# KiCad board Kea Nano PCB V1-rounded.kicad_pcb (continued)
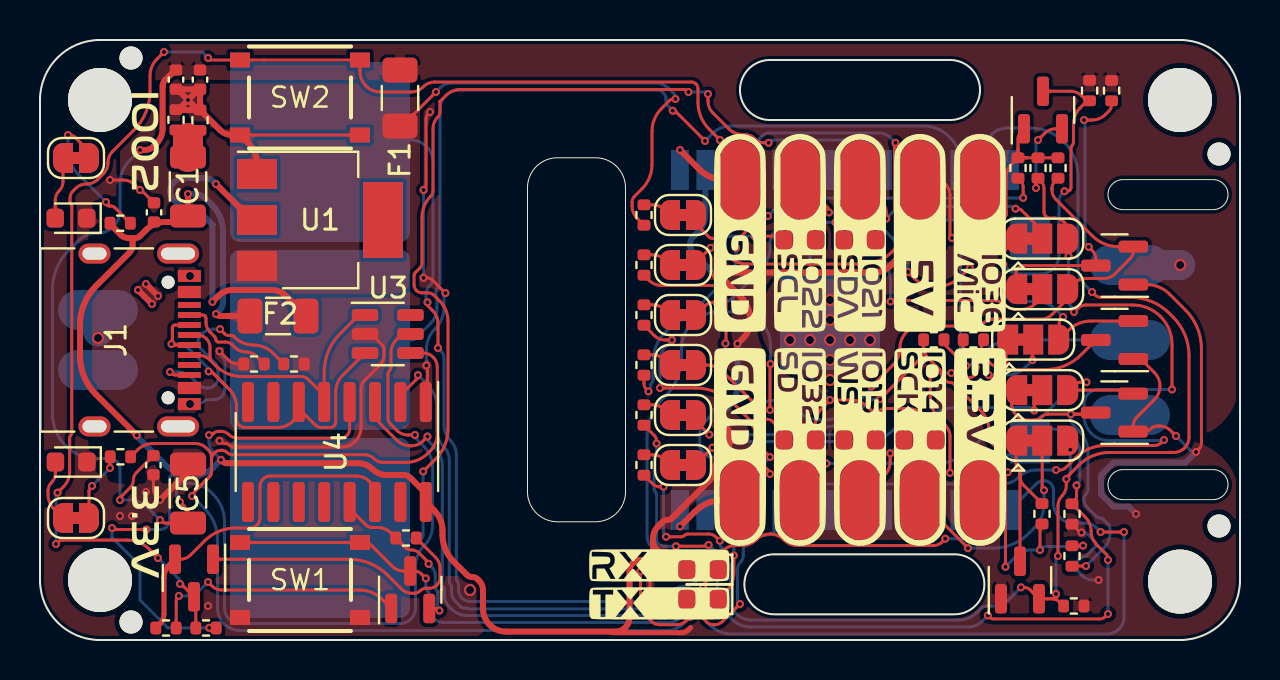
[diagram p0: board, top side]
## Routing (per net, layer and track width the routed paths; a pad name or vN(x,y) marks a point on that pad's centre or on a via; arc(x,y) is an arc through that point) (continued)
Net-(JP1-Pad2): length 1.5
  Top w0.15: R4.2 30.63,14.26 arc(30.96,14.19) 31.25,14 JP1.2
Net-(JP2-Pad1): length 8.8
  Top w0.15: R6.1 47.12,14.95 arc(47.08,14.89) 47.07,14.82 47.07,14.58 arc(47.13,14.29) 47.29,14.05 47.48,13.86 arc(47.72,13.7) 48,13.64 48.22,13.64 ; Q1.3 52.05,14.26 arc(51.23,13.71) 50.27,13.52 48.52,13.52 arc(48.43,13.54) 48.37,13.58 ; JP2.1 48.33,14.99 arc(48.31,14.96) 48.3,14.92 48.3,13.73 ; 48.3,13.73 arc(48.28,13.67) 48.22,13.64 ; 48.3,13.73 arc(48.32,13.65) 48.37,13.58 ; 48.22,13.64 arc(48.3,13.63) 48.37,13.58
Net-(JP3-Pad2): length 1.5
  Top w0.15: JP3.2 31.25,9 arc(30.96,9.19) 30.63,9.26 R10.2
Net-(JP4-Pad1): length 8.3
  Top w0.15: 49,8.31 Q2.3 ; 49,8.31 49,8.18 arc(49.05,7.94) 49.18,7.74 R13.1 ; 49,8.31 arc(48.98,8.43) 48.91,8.53 ; 49,8.31 arc(48.98,8.43) 48.91,8.53 ; JP4.1 48.81,8.76 arc(48.83,8.64) 48.91,8.53
Net-(JP5-Pad2): length 1.5
  Top w0.15: JP5.2 31.25,11.5 arc(30.96,11.69) 30.63,11.76 R14.2
Net-(JP6-Pad1): length 16.5
  Top w0.15: JP6.1 48.69,12.38 arc(48.61,12.25) 48.58,12.1 48.58,11.8 arc(48.64,11.5) 48.82,11.23 arc(49.08,11.06) 49.38,11 49.7,11 arc(49.89,11.04) 50.05,11.14 arc(50.21,11.25) 50.4,11.29 52.65,11.29 ; v2(52.3,3.7) 51.62,3.7 arc(51.61,3.7) 51.6,3.69 R17.1 ; 52.65,11.29 v2(51.54,11.29) ; 52.65,11.29 arc(52.7,11.3) 52.74,11.33 ; 52.65,11.29 arc(52.7,11.3) 52.74,11.33 ; 52.74,11.33 Q3.3 ; 49.4,12.44 49.45,12.49
  Bottom w0.15: v2(51.54,11.29) 51.54,11.08 arc(51.58,10.88) 51.69,10.72 51.97,10.44 arc(52.29,9.96) 52.4,9.4 52.4,7.54 arc(52.37,7.41) 52.3,7.3 arc(52.23,7.19) 52.2,7.06 52.2,7 arc(52.24,6.82) 52.34,6.66 52.83,6.17 arc(52.91,6.12) 53,6.1 arc(53.09,6.08) 53.17,6.03 53.37,5.83 arc(53.47,5.69) 53.5,5.52 53.5,5.34 arc(53.42,4.93) 53.19,4.59 v2(52.3,3.7)
Net-(JP7-Pad2): length 7.4
  Top w0.15: R15.2 3.75,21.61 arc(3.65,21.68) 3.53,21.7 3.47,21.7 arc(3.41,21.71) 3.35,21.75 3.34,21.76 arc(3.31,21.8) 3.3,21.85 v2(3.3,21.9) ; JP7.2 2.45,24.27 arc(2.42,24.43) 2.33,24.56 1.72,25.17 arc(1.63,25.23) 1.52,25.25 v2(1.4,25.25)
  Bottom w0.15: v2(1.4,25.25) 1.4,24.52 arc(1.53,23.86) 1.91,23.29 v2(3.3,21.9)
Net-(JP8-Pad2): length 1.5
  Top w0.15: JP8.2 31.25,21.5 arc(30.96,21.69) 30.63,21.76 R18.2
Net-(JP9-Pad2): length 1.5
  Top w0.15: R19.2 30.63,19.26 arc(30.96,19.19) 31.25,19 JP9.2
Net-(JP10-Pad1): length 15.8
  Top w0.15: v2(51.23,22.44) 51.36,22.44 arc(51.43,22.45) 51.49,22.49 arc(51.54,22.56) 51.55,22.63 51.55,24.59 arc(51.57,24.67) 51.61,24.74 arc(51.66,24.81) 51.67,24.89 51.67,25.79 arc(51.76,26.24) 52.02,26.62 52.32,26.92 arc(52.36,26.95) 52.42,26.96 52.41,26.96 arc(52.35,26.97) 52.29,27.01 52.1,27.2 arc(51.84,27.38) 51.52,27.44 50.18,27.44 arc(50.17,27.43) 50.17,27.42 50.18,27.4 arc(50.19,27.4) 50.19,27.4 50.2,27.4 ; JP10.1 48.4,19.66 arc(48.23,19.4) 48.17,19.1 v2(48.17,18.78)
  Bottom w0.15: v2(51.23,22.44) 51.09,22.3 arc(50.99,22.15) 50.95,21.97 50.95,19.24 arc(50.88,18.88) 50.68,18.58 arc(50.37,18.37) 50.01,18.3 48.99,18.3 arc(48.67,18.36) 48.41,18.54 v2(48.17,18.78)
Net-(JP11-Pad2): length 1.5
  Top w0.15: R22.2 30.63,16.76 arc(30.96,16.69) 31.25,16.5 JP11.2
Net-(JP12-Pad1): length 14.5
  Top w0.15: R26.1 53.58,26.77 arc(53.55,26.59) 53.45,26.45 53.28,26.28 arc(52.97,26.07) 52.6,26 v2(52.2,26) ; 48.54,17.55 48.68,17.55 arc(48.77,17.58) 48.81,17.68 48.81,18.33 arc(48.84,18.48) 48.93,18.61 arc(49.05,18.69) 49.2,18.72 52.5,18.72 arc(52.71,18.8) 52.79,19.01 52.79,19.04 arc(52.75,19.28) 52.61,19.48 v2(52.43,19.66)
  Bottom w0.15: v2(52.2,26) 52.22,25.98 arc(52.24,25.95) 52.25,25.92 52.25,19.97 arc(52.27,19.85) 52.34,19.75 v2(52.43,19.66)
Net-(JP13-Pad2): length 3.5
  Top w0.15: v2(3.5,8.6) 3.5,9.14 arc(3.5,9.15) 3.5,9.16 R28.2 ; JP13.2 2.45,7.44 arc(2.47,7.54) 2.53,7.62 v2(2.6,7.7)
  Bottom w0.15: v2(2.6,7.7) v2(3.5,8.6)
Net-(Q5-Pad1): length 15.1
  Top w0.15: 18.86,5.1 18.9,5.1 ; 18.86,5.1 arc(18.84,5.11) 18.84,5.13 ; 18.86,5.1 arc(18.84,5.09) 18.84,5.07 ; Q5.1 15.46,4.04 arc(16.5,3.83) 17.38,3.24 18.07,2.55 arc(18.31,2.39) 18.58,2.34 18.71,2.34 arc(18.87,2.37) 19.01,2.46 arc(19.15,2.55) 19.31,2.59 19.47,2.59 arc(19.67,2.63) 19.84,2.74 arc(19.96,2.92) 20,3.12 20,3.6 arc(19.94,3.89) 19.78,4.13 18.84,5.07 ; 18.84,5.07 arc(18.83,5.1) 18.84,5.13 ; 18.84,5.13 19.01,5.3
Net-(Q6-Pad1): length 13
  Top w0.15: v2(8.4,2.9) 8.6,2.7 arc(8.82,2.55) 9.08,2.5 15.98,2.5 arc(16.59,2.38) 17.1,2.04 Q6.1 ; v2(6.94,2.2) 6.88,2.14 arc(6.83,2.06) 6.81,1.98 R24.1
  Bottom w0.15: v2(6.94,2.2) 7.32,2.2 arc(7.68,2.27) 7.97,2.47 v2(8.4,2.9)

## Copper pours and planes (outline as drawn; the poured copper is in the pictures)
+3V3 on Top: 51,10 60,10 60,0 30,0 30,21 51,21
+3V3 on Top: 7.25,22.3 7.24,22.11 7.2,21.97 7.15,21.85 7.09,21.75 7.01,21.64 6.92,21.52 7.4,20.91 7.88,21.52 7.79,21.64 7.71,21.75 7.65,21.85 7.6,21.97 7.56,22.11 7.55,22.3
+3V3 on Top: 9.25,16.05 9.48,16.03 9.65,15.99 9.78,15.92 10.05,15.74 10.23,15.64 10.81,16.2 10.23,16.76 10.05,16.66 9.78,16.48 9.65,16.41 9.48,16.37 9.25,16.35
GND on Top: 22.64,0 0,0 0,30 22.64,30
GND on Top: 44,13 36,13 36,19 44,19
GND on Top: 6.94,7.73 7.05,7.83 7.15,7.92 7.24,7.98 7.32,8.04 7.47,8.13 7.55,8.18 7.63,8.23 7.71,8.3 7.81,8.39 7.48,9.08 6.83,8.7 6.85,8.61 6.89,8.44 6.9,8.37 6.91,8.3 6.9,8.23 6.88,8.16 6.85,8.09 6.8,8.02 6.73,7.94
GND on Bottom: 38.57,13.5 38.58,13.53 38.59,13.55 38.61,13.57 38.63,13.59 38.74,13.62 39.99,17.15 38.28,13.82 38.36,13.72 38.38,13.68 38.4,13.64 38.41,13.6 38.42,13.55 38.43,13.5
GND on Bottom: 38.43,19.2 38.41,18.98 38.37,18.78 38.32,18.59 38.25,18.43 38.17,18.28 38.08,18.16 38,18.04 37.91,17.95 37.84,17.88 37.78,17.82 39.99,14.85 39.35,18.5 39.28,18.5 39.2,18.51 39.11,18.54 39,18.59 38.9,18.65 38.8,18.72 38.71,18.81 38.64,18.92 38.59,19.05 38.57,19.2
GND on Bottom: 60,0 0,0 0,30 60,30
VBUS on Top: 60,10 51,10 51,21 31,21 31,30 60,30
VBUS on Top: 6.26,5.78 6.47,5.76 6.62,5.7 6.74,5.63 6.85,5.54 6.97,5.44 7.14,5.34 7.69,5.85 7.14,6.36 6.97,6.26 6.85,6.16 6.74,6.07 6.62,6 6.47,5.94 6.26,5.92
VBUS on Top: 31,28 0,28 0,30 31,30
VBUS on Bottom: 56.5,19.5 56.14,19.5 55.84,19.49 55.58,19.5 55.36,19.52 55.14,19.57 54.94,19.65 54,18.75 54.94,17.85 55.14,17.93 55.36,17.98 55.58,18 55.84,18.01 56.14,18 56.5,18
/USB_IN on Top: 19,17.3 4,17.3 4,30 19,30
/USB_IN on Top: 10.9,8 2.6,8 2.6,22 11,22
/USB_IN on Top: 18.88,26.59 18.78,26.49 18.68,26.43 18.58,26.38 18.49,26.36 18.4,26.35 18.31,26.35 18.21,26.35 18.11,26.34 17.99,26.33 17.86,26.31 17.76,25.5 18.56,25.43 18.62,25.56 18.65,25.68 18.68,25.78 18.71,25.98 18.73,26.07 18.76,26.17 18.81,26.26 18.89,26.37 18.99,26.48
/USB_IN on Bottom: 3.65,15.43 3.66,15.85 2.9,17 2.14,15.85 2.15,15.43
Net-(F2-Pad1) on Top: 12.3,16.98 12.45,16.81 12.54,16.66 12.59,16.51 12.62,16.36 12.65,16.19 12.71,15.99 13.52,15.98 13.51,16.79 13.31,16.85 13.14,16.88 12.99,16.91 12.84,16.96 12.69,17.05 12.52,17.2
Net-(F2-Pad1) on Top: 9.57,21.82 9.77,21.59 9.88,21.4 9.96,21.21 10.01,21.03 10.09,20.83 10.22,20.59 11.17,20.8 10.92,21.75 10.69,21.76 10.49,21.75 10.32,21.75 10.15,21.78 9.98,21.87 9.78,22.03
Net-(IO2-Pad1) on Bottom: 52.49,14.94 52.87,14.9 53.13,14.8 53.34,14.65 53.53,14.48 53.76,14.29 54.06,14.1 55,15 54.07,15.9 53.77,15.73 53.54,15.54 53.35,15.37 53.14,15.22 52.87,15.12 52.49,15.08
Net-(IO4-Pad1) on Bottom: 18.54,25.08 18.51,25.08 18.49,25.09 18.44,25.14 11.77,24.1 18.48,24.86 18.5,24.91 18.52,24.92 18.54,24.92
Net-(IO4-Pad1) on Bottom: 18.54,25.08 18.44,25.14 11.77,24.1 18.48,24.86 18.54,24.92
Net-(IO14-Pad1) on Top: 50.19,8.98 50.2,9.16 50.25,9.3 50.31,9.4 50.39,9.5 50.47,9.61 50.56,9.75 50.11,10.22 49.66,9.75 49.75,9.61 49.83,9.5 49.91,9.4 49.97,9.3 50.02,9.16 50.03,8.98
Net-(IO14-Pad1) on Top: 45.46,5.65 45.22,5.94 45.11,6.19 45.07,6.44 45.05,6.7 45.03,6.99 44.94,7.33 43.65,7.35 43.67,6.06 44.01,5.97 44.3,5.95 44.56,5.93 44.81,5.89 45.06,5.78 45.35,5.54
Net-(IO15-Pad1) on Top: 42.16,8.26 41.96,8.1 41.77,8.01 41.59,7.97 41.41,7.97 41.23,7.98 41.05,8 40.65,6.65 42,7.05 41.98,7.23 41.97,7.41 41.97,7.59 42.01,7.77 42.1,7.96 42.26,8.16
Net-(IO21-Pad1) on Top: 42.14,21.97 42.02,22.12 41.96,22.26 41.93,22.4 41.93,22.54 41.95,22.66 41.97,22.77 40.65,23.35 41.23,22.03 41.34,22.05 41.46,22.07 41.6,22.07 41.74,22.04 41.88,21.98 42.03,21.86
Net-(IO22-Pad1) on Top: 39.43,21.67 39.21,21.95 39.09,22.19 39.05,22.43 39.04,22.68 39.02,22.95 38.97,23.26 37.65,23.35 37.74,22.03 38.05,21.98 38.32,21.96 38.57,21.95 38.81,21.91 39.05,21.79 39.33,21.57
Net-(IO27-Pad1) on Bottom: 18.61,15.08 18.58,15.09 18.5,15.19 11.75,15.01 18.5,14.83 18.58,14.93 18.61,14.94
Net-(IO32-Pad1) on Top: 39.06,8.68 38.86,8.5 38.68,8.37 38.51,8.28 38.35,8.22 38.2,8.17 38.04,8.13 37.88,8.08 37.72,8.01 37.54,7.91 37.35,7.76 37.8,6.54 39,7.03 38.98,7.23 38.96,7.41 38.89,7.71 38.87,7.86 38.87,7.99 38.89,8.13 38.94,8.27 39.03,8.41 39.17,8.57
Net-(IO32-Pad1) on Top: 39.06,8.68 38.74,8.41 38.46,8.26 38.2,8.17 37.94,8.1 37.66,7.98 37.35,7.76 37.8,6.54 39,7.03 38.97,7.35 38.91,7.62 38.87,7.86 38.88,8.08 38.96,8.31 39.17,8.57
Net-(IO32-Pad1) on Top: 49.7,14.02 49.72,14.2 49.76,14.33 49.83,14.43 49.91,14.53 50,14.63 50.09,14.77 49.68,15.27 49.2,14.83 49.27,14.68 49.35,14.56 49.43,14.46 49.49,14.35 49.53,14.21 49.55,14.02
Net-(IO33-Pad1) on Bottom: 18.89,5.08 18.81,5.08 18.74,5.11 18.69,5.15 18.63,5.2 18.59,5.25 18.56,5.31 18.53,5.36 18.51,5.4 18.5,5.45 11.77,5.9 18.38,4.56 18.4,4.6 18.43,4.65 18.47,4.7 18.52,4.75 18.58,4.8 18.64,4.85 18.72,4.89 18.8,4.92 18.89,4.92
Net-(IO33-Pad1) on Bottom: 18.89,5.08 18.77,5.1 18.67,5.17 18.59,5.25 18.54,5.34 18.51,5.42 18.5,5.45 11.77,5.9 18.38,4.56 18.4,4.59 18.44,4.66 18.52,4.75 18.62,4.84 18.74,4.9 18.89,4.92

Small or netless copper shapes (teardrops, artwork), in the pictures only: 308 on Top, 166 on Bottom
